# Altium PCB betaV1.0.PcbDoc
Units mm, origin at the board's own origin, x right, y up, seen from the top; angles counter-clockwise.
Board outline 76 x 80.5 mm, 2 copper layers (Top Layer, Bottom Layer); 130 components, 86 nets, 364 pads, 121 vias.
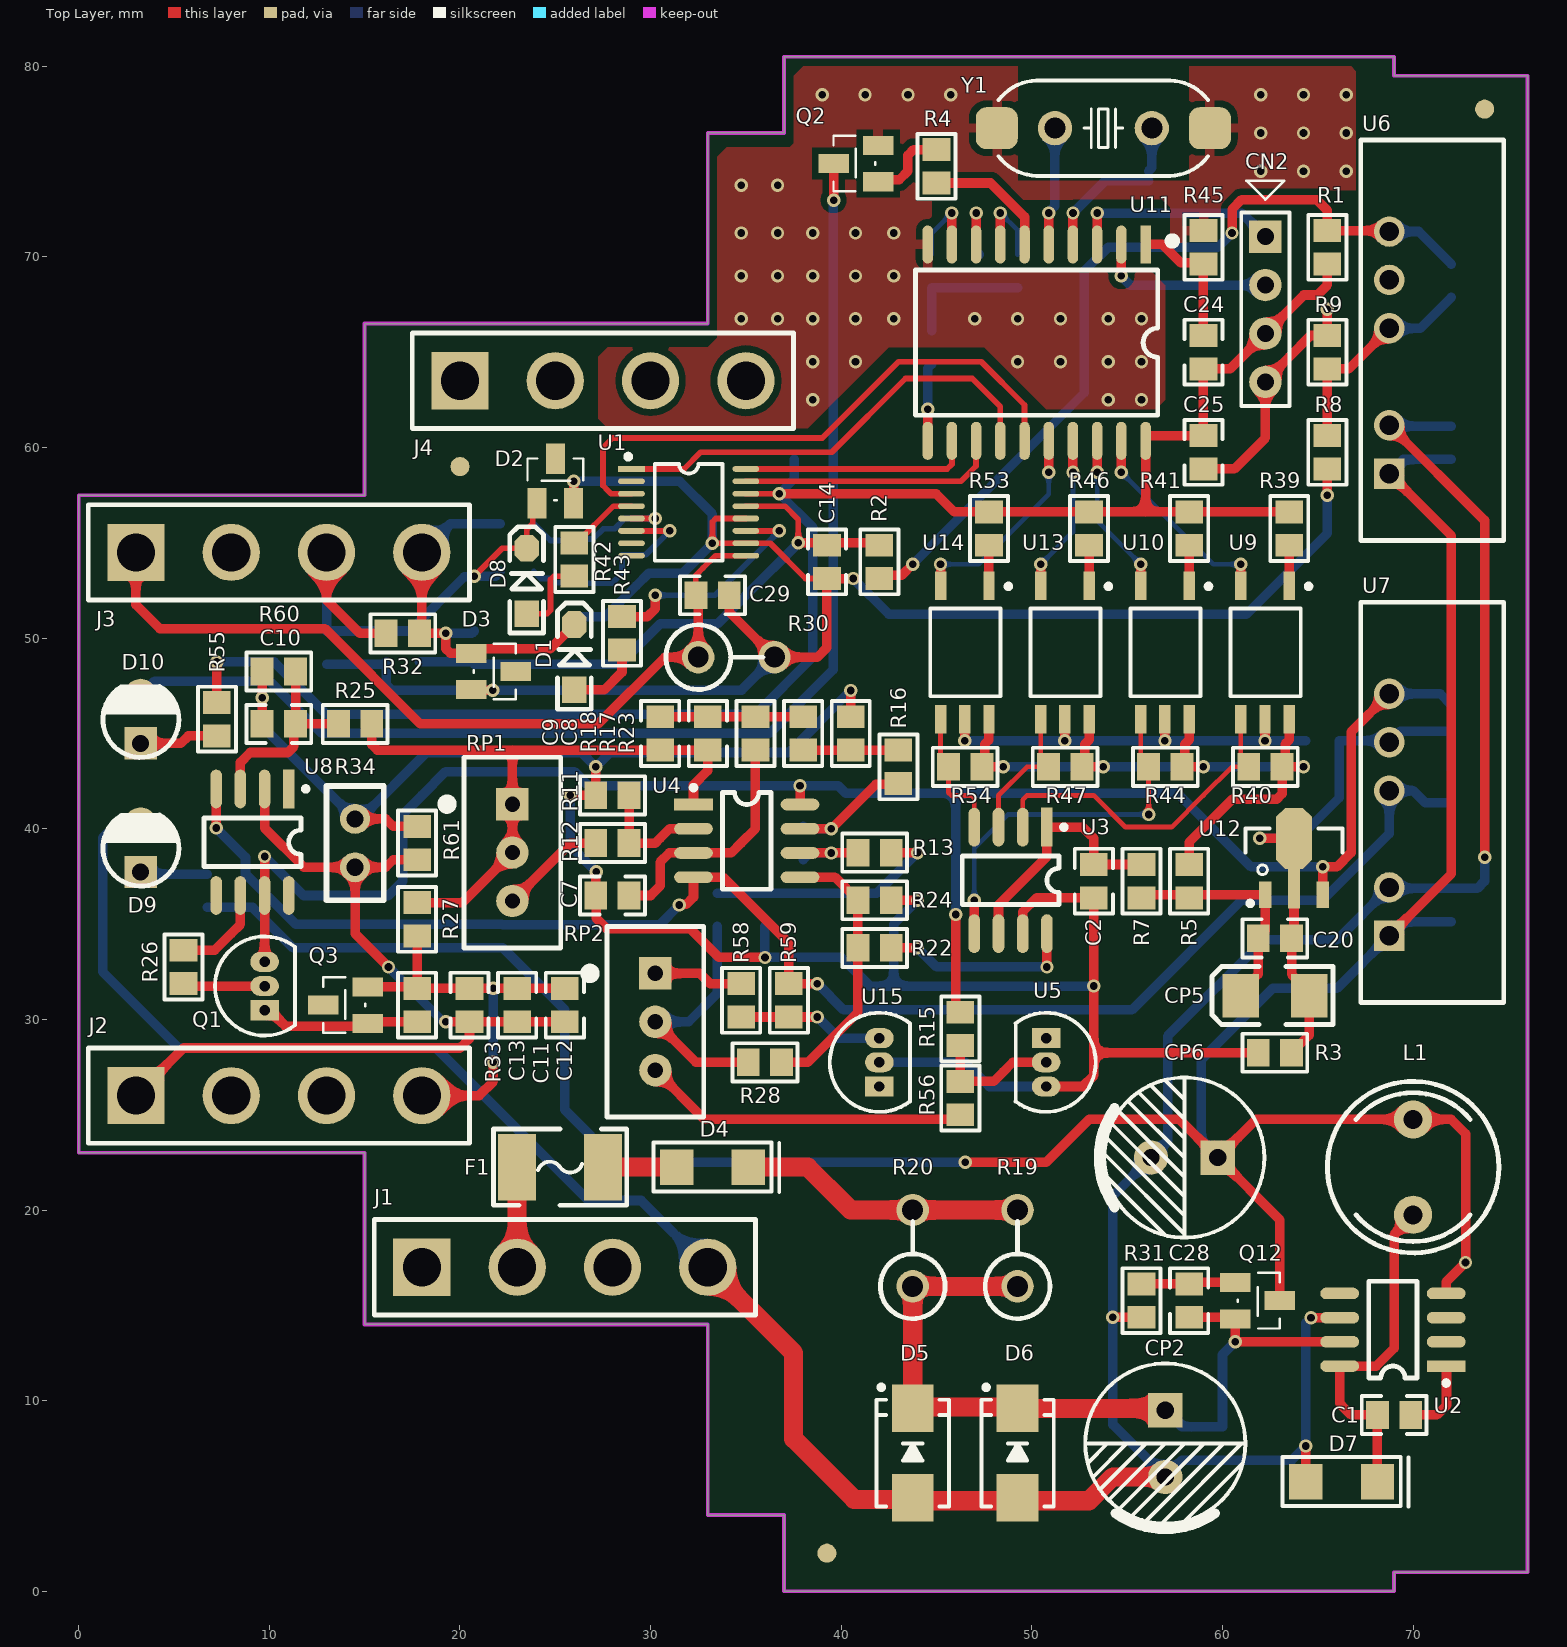
[diagram p0: Top Layer view]
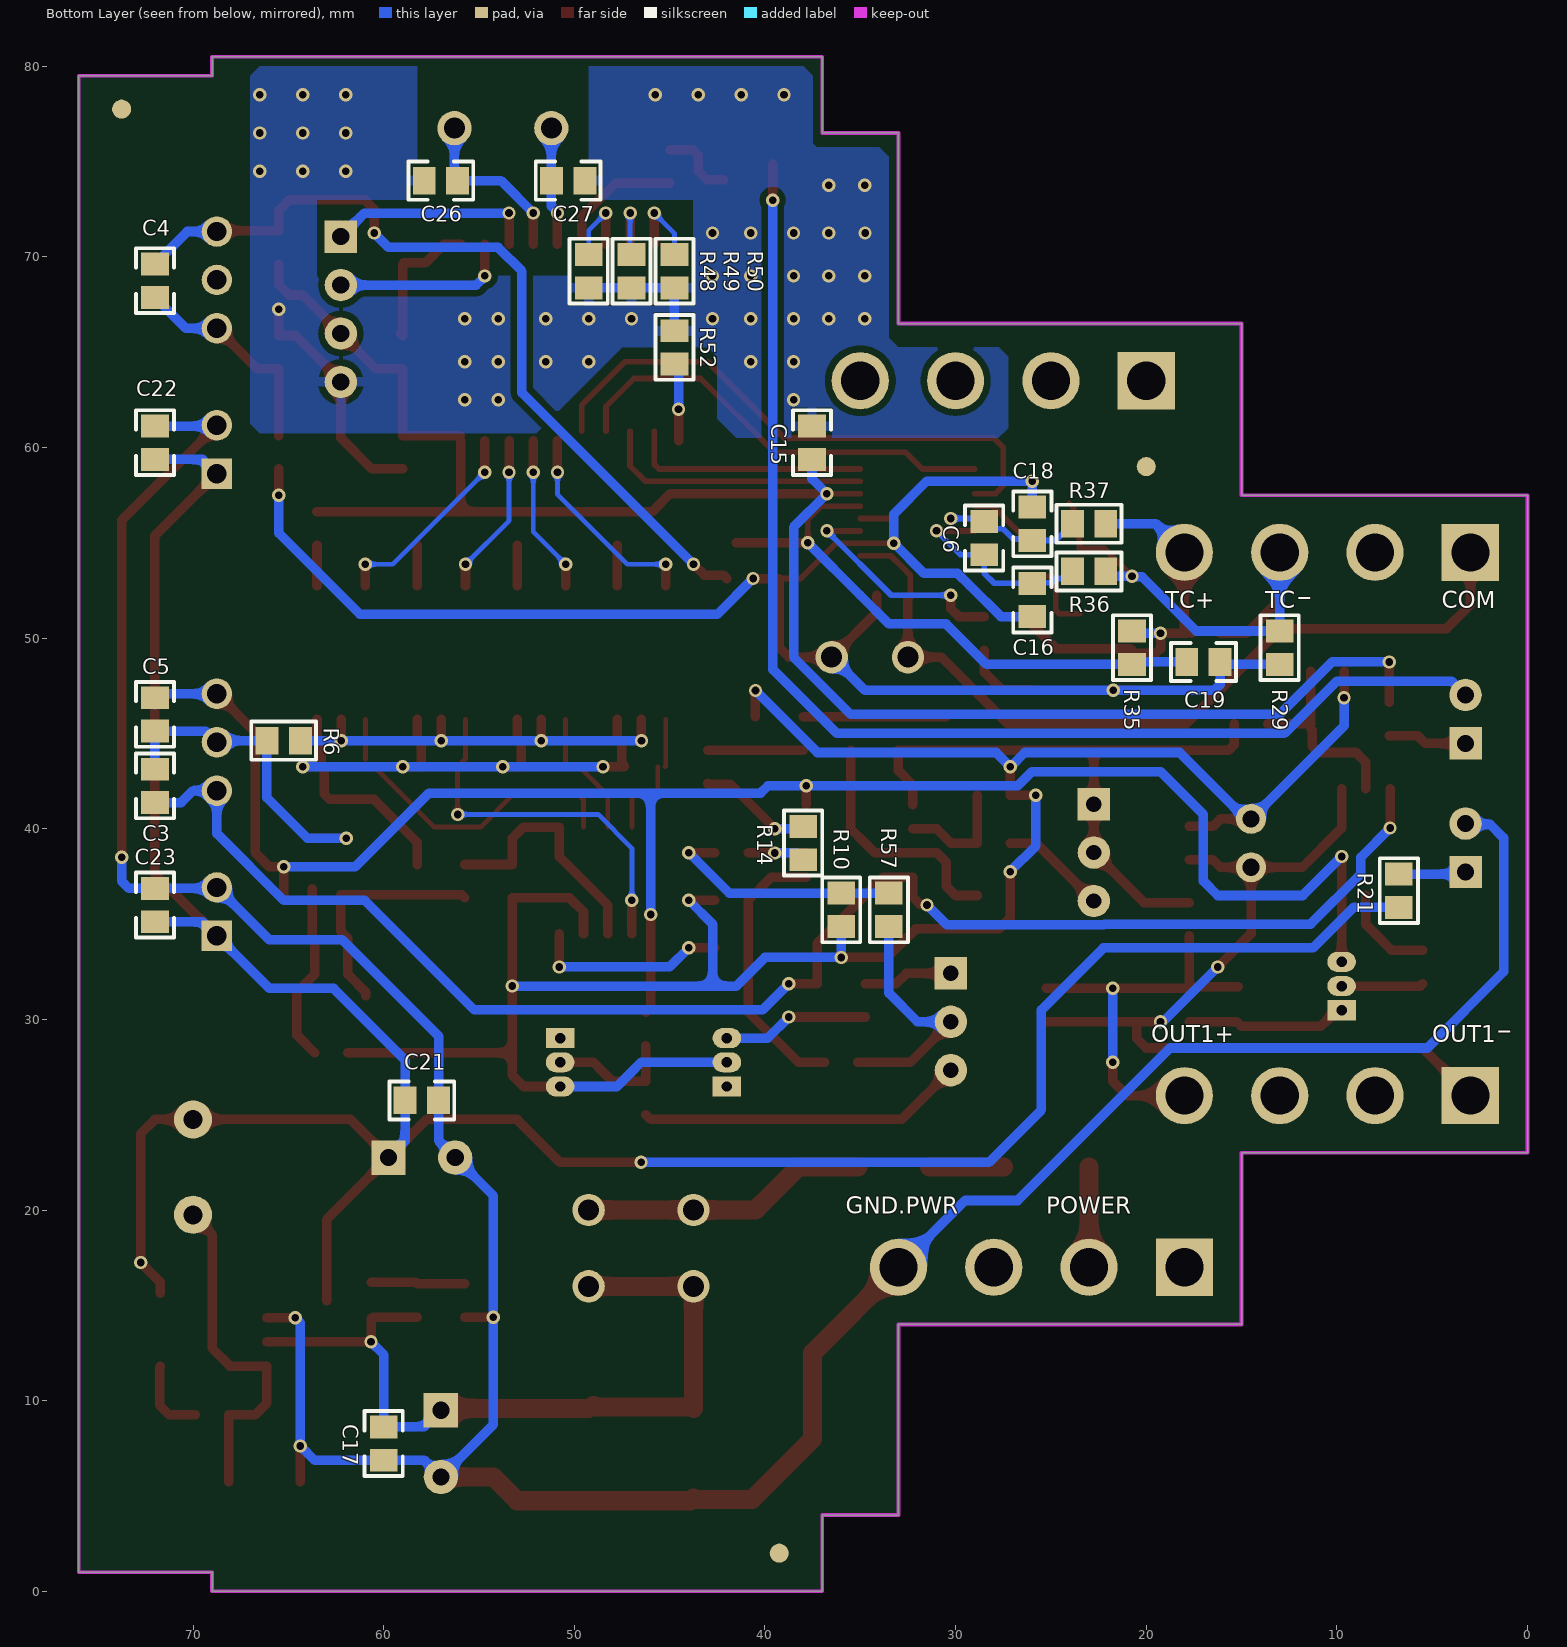
[diagram p1: Bottom Layer view, seen from below]

## Layer stack, top to bottom
Top Solder: solder mask 0.0102, Solder Resist, Dk 3.5
Top Layer: signal copper 0.0356
Dielectric 1: dielectric 0.32, FR-4, Dk 4.8
Bottom Layer: signal copper 0.0356
Bottom Solder: solder mask 0.0102, Solder Resist, Dk 3.5

## Board outline
15,14 15,23 0,23 0,57.5 15,57.5 15,66.5 33,66.5 33,76.5 37,76.5 37,80.5 69,80.5 69,79.5 76,79.5 76,1 69,1 69,0 37,0 37,4 33,4 33,14

## Design rules (kind name [scope] priority, off if disabled: settings)
Clearance [All] p1: gap=0.15 ignorepadtopadclearanceinfootprint=FALSE except(0.35: Arc-Fill Arc-Poly Arc-Region Track-Fill Track-Poly Track-Region SMDPad-Fill SMDPad-Poly SMDPad-Region THPad-Fill THPad-Poly THPad-Region Via-Fill Via-Poly Via-Region Fill-Fill Fill-Poly Fill-Region Poly-Poly Poly-Region Region-Region)
ComponentClearance [All] p1: gap=0.1 collisioncheckmode=3 verticalgap=0.1 showdistances=FALSE
MinimumSolderMaskSliver [All] p1: minsoldermaskwidth=0.15
PolygonConnect [All] p1: thpad.connectstyle=Relief thpad.reliefconductorwidth=0.5 thpad.reliefentries=4 thpad.polygonreliefangle="90 Angle" thpad.airgapwidth=0.35 smdpad.connectstyle=Relief smdpad.reliefconductorwidth=0.5 smdpad.reliefentries=4 smdpad.polygonreliefangle="90 Angle" smdpad.airgapwidth=0.35 via.connectstyle=Direct via.reliefconductorwidth=0.254 via.reliefentries=4 via.polygonreliefangle="90 Angle" via.airgapwidth=0.254
RoutingVias [All] p1: holewidth=0.4 width=0.7 viastyle="Through Hole" minholewidth=0.4 minwidth=0.7 maxholewidth=0.4 maxwidth=0.7
SilkToSilkClearance [All] p1: silktosilkclearance=0.1
SilkToSolderMaskClearance [IsPad] p1: minsilkscreentomaskgap=0.1 clearancetoexposedcopper=TRUE
SolderMaskExpansion [All] p1: expansion=0.102 istentingtop=FALSE
Width [All] p1: maxlimit=5 minlimit=0.25 preferedwidth=1
26 further rules are at their usual default settings.

## Components (designator, comment, footprint, x,y, rotation, side; value= is the part's Value field where it differs from the comment)
C1 "Comment" C0805 69,9.25 r0 top value=50V/103
C2 "Comment" C0805 53.25,37.25 r270 top value=25V/105
C3 "Comment" C0805 72,42.25 r270 bottom value=25V/105
C4 "Comment" C0805 72,68.75 r270 bottom value=25V/105
C5 "Comment" C0805 72,46 r270 bottom value=25V/105
C6 "Comment" C0805 28.5,55.25 r270 bottom value=25V/105
C7 "Comment" C0805 28,36.5 r0 top value=25V/105
C8 "Comment" C0805 33,45 r270 top value=25V/105
C9 "Comment" C0805 30.5,45 r270 top value=25V/105
C10 "Comment" C0805 10.5,45.5 r0 top value=25V/105
C11 "Comment" C0805 23,30.75 r270 top value=25V/105
C12 "Comment" C0805 25.5,30.75 r270 top value=25V/105
C13 "Comment" C0805 20.5,30.75 r270 top value=25V/105
C14 "Comment" C0805 39.25,54 r270 top value=25V/105
C15 "Comment" C0805 37.534,60.25 r270 bottom value=25V/105
C16 "Comment" C0805 25.978,52 r270 bottom value=25V/105
C17 "Comment" C0805 60,7.75 r270 bottom value=50V/104
C18 "Comment" C0805 25.978,56 r270 bottom value=25V/105
C19 "Comment" C0805 17,48.75 r180 bottom value=25V/105
C20 "Comment" C0805 62.75,34.25 r0 top value=25V/105
C21 "Comment" C0805 58,25.75 r180 bottom value=50V/104
C22 "Comment" C0805 72,60.25 r270 bottom value=25V/105
C23 "Comment" C0805 72,36 r270 bottom value=25V/105
C24 "Comment" C0805 59,65 r270 top value=25V/105
C25 "Comment" C0805 59,59.75 r270 top value=25V/105
C26 "Comment" C0805 57,74 r0 bottom value=25V/105
C27 "Comment" C0805 50.325,74 r180 bottom value=25V/105
C28 "Comment" C0805 58.25,15.25 r270 top value=50V/104
C29 "Comment" C0805 33.25,52.25 r0 top value=25V/105
CN2 "Comment" HDR2.54-LI-4P 62.25,67.25 r270 top
CP2 "Comment" "CAP 3.5*8*11.5" 57,7.75 r270 top value=50V100UF
CP5 "Comment" "CD B(3528)" 62.75,31.25 r0 top value=25V/105
CP6 "Comment" "CAP 3.5*8*11.5" 58,22.75 r180 top value=50V100UF
D1 "Comment" SOD-123 26,49 r90 top
D2 "Comment" SOT-23 25,58.25 r0 top
D3 "Comment" SOT-23 21.75,48.25 r270 top
D4 "Comment" SS14 33.25,22.25 r180 top value=1A/40V
D5 "Comment" SMB 43.75,7.25 r90 top
D6 "Comment" SMB 49.25,7.25 r90 top
D7 "" SS14 66.25,5.75 r180 top
D8 "Comment" SOD-123 23.5,53 r90 top
D9 "" "LED 3MM-R" 3.25,39 r90 top
D10 "" "LED 3MM-R" 3.25,45.75 r90 top
F1 "Comment" "FU 1812" 25.25,22.25 r0 top value=1A/50V
J1 "Comment" 电源输入/出 18,17 r0 top
J2 "Comment" 电源输入/出 3,26 r0 top
J3 "Comment" 电源输入/出 3,54.5 r0 top
J4 "Comment" 电源输入/出 20,63.5 r0 top
L1 "Comment" PK0810 70,22.25 r90 top value=47uH
Q1 "" LM336 9.75,30.48 r0 top
Q2 "Comment" SOT-23 40.768,74.895 r90 top
Q3 "Comment" SOT-23 14,30.75 r90 top
Q12 "" SOT-23 61.832,15.25 r270 top
R1 "Comment" R0805 65.5,70.5 r270 top
R2 "Comment" R0805 42,54 r270 top
R3 "Comment" R0805 62.75,28.25 r0 top
R4 "Comment" R0805 45,74.75 r90 top
R5 "Comment" R0805 58.25,37.25 r270 top
R6 "Comment" R0805 65.25,44.625 r0 bottom
R7 "Comment" R0805 55.75,37.25 r270 top
R8 "Comment" R0805 65.5,59.75 r270 top
R9 "Comment" R0805 65.5,65 r270 top
R10 "Comment" R0805 36,35.75 r90 bottom
R11 "Comment" R0805 28,41.75 r0 top
R12 "Comment" R0805 28,39.25 r0 top
R13 "Comment" R0805 41.75,38.75 r0 top
R14 "Comment" R0805 38,39.25 r90 bottom
R15 "Comment" R0805 46.25,29.5 r270 top
R16 "Comment" R0805 43,43.25 r90 top
R17 "Comment" R0805 38,45 r270 top
R18 "Comment" R0805 35.5,45 r270 top
R19 "Comment" "金属膜电阻-RS 1/2W-V4" 49.25,16 r90 top value=1W/10R
R20 "Comment" "金属膜电阻-RS 1/2W-V4" 43.75,16 r90 top value=1W/10R
R21 "Comment" R0805 6.75,36.75 r270 bottom
R22 "Comment" R0805 41.75,33.75 r0 top
R23 "Comment" R0805 40.5,45 r270 top
R24 "Comment" R0805 41.75,36.25 r0 top
R25 "Comment" R0805 14.5,45.5 r0 top
R26 "Comment" R0805 5.5,32.75 r90 top
R27 "Comment" R0805 17.75,35.25 r270 top
R28 "Comment" R0805 36,27.75 r0 top
R29 "Comment" R0805 13,49.5 r90 bottom
R30 "Comment" "金属膜电阻-RS 1/2W-V4" 32.5,49 r0 top value=1W/10R
R31 "Comment" R0805 55.75,15.25 r270 top
R32 "Comment" R0805 17,50.25 r0 top
R33 "Comment" R0805 17.75,30.75 r270 top
R34 "Comment" "RS 1/2W" 14.5,39.25 r270 top
R35 "Comment" R0805 20.75,49.5 r270 bottom
R36 "Comment" R0805 23,53.5 r180 bottom
R37 "Comment" R0805 23,56 r180 bottom
R39 "Comment" R0805 63.5,55.75 r270 top
R40 "Comment" R0805 62.25,43.25 r0 top
R41 "Comment" R0805 58.25,55.75 r270 top
R42 "10k" R0805 26,54.125 r270 top
R43 "Comment" R0805 28.5,50.25 r270 top
R44 "Comment" R0805 57,43.25 r0 top
R45 "Comment" R0805 59,70.5 r270 top
R46 "Comment" R0805 53,55.75 r270 top
R47 "Comment" R0805 51.75,43.25 r0 top
R48 "Comment" R0805 49.25,69.25 r270 bottom
R49 "Comment" R0805 47,69.25 r270 bottom
R50 "Comment" R0805 44.75,69.25 r270 bottom
R52 "Comment" R0805 44.75,65.25 r270 bottom
R53 "Comment" R0805 47.75,55.75 r270 top
R54 "Comment" R0805 46.5,43.25 r0 top
R55 "Comment" R0805 7.25,45.75 r270 top
R56 "Comment" R0805 46.25,25.875 r270 top
R57 "Comment" R0805 33.5,35.75 r90 bottom
R58 "Comment" R0805 34.75,31 r90 top
R59 "Comment" R0805 37.25,31 r90 top
R60 "Comment" R0805 10.5,48.25 r0 top
R61 "Comment" R0805 17.75,39.25 r270 top
RP1 "Comment" 可调电阻 22.75,41.29 r0 top
RP2 "Comment" 可调电阻 30.25,32.415 r0 top
U1 "Comment" TSSOP16 32,56.6 r0 top
U2 "Comment" SO-8 71.733,11.815 r180 top
U3 "Comment" SO-8 50.79,40.088 r270 top
U4 "Comment" SO-8 32.25,41.27 r0 top
U5 "" LM336 50.75,29.02 r180 top
U6 "Comment" B0505S-2WR2 68.75,58.63 r270 top
U7 "Comment" B0505S-2WR2 68.75,34.38 r270 top
U8 "Comment" SO-8 11.02,42.088 r270 top
U9 "Comment" PC400 63.5,52.75 r180 top
U10 "Comment" PC400 58.25,52.75 r180 top
U11 "Comment" 12C5616AD-SOP20 50.25,65.5 r270 top
U12 "Comment" SOT-89 62.25,36.532 r0 top
U13 "Comment" PC400 53,52.75 r180 top
U14 "Comment" PC400 47.75,52.75 r180 top
U15 "" LM336 42,26.48 r0 top
Y1 "Comment" 晶振 53.75,76.75 r0 top

## Footprints (in the part's own frame and the unit in brackets; to place one, negate y for a bottom-side part, rotate by r counter-clockwise, add the part's x,y. Pads: shape width x height; smd on the part's side, far side on the other; paste and mask are expansions set on the pad)
12C5616AD-SOP20 [mm] "13*10.6*2.6（长宽高）"
  rect 2x0.55 smd: 1(-5.15,5.715)
  oval 2x0.55 smd: 2(-5.15,4.445) 3(-5.15,3.175) 4(-5.15,1.905) 5(-5.15,0.635) 6(-5.15,-0.635) 7(-5.15,-1.905) 8(-5.15,-3.175) 9(-5.15,-4.445) 10(-5.15,-5.715) 11(5.15,-5.715) 12(5.15,-4.445) 13(5.15,-3.175) 14(5.15,-1.905) 15(5.15,-0.635) 16(5.15,0.635) 17(5.15,1.905) 18(5.15,3.175) 19(5.15,4.445) 20(5.15,5.715)
  silkscreen extent -5.49,-6.35 3.81,7.27, body extent -5.15,-6.35 5.15,6.35, height 2.7
B0505S-2WR2 [mm]
  rect 1.6x1.6 hole 1.02: 1(0,0)
  round 1.6 hole 1.02: 2(-2.54,0) 4(-7.62,0) 5(-10.16,0) 6(-12.7,0)
  silkscreen extent -17.5,-1.5 3.5,6
C0805 [mm] "无极性贴片电容"
  rect 1.2x1.45 smd: 1(-0.875,0) 2(0.875,0)
  silkscreen extent -1.7,-1 1.7,1, body extent -1.07,-0.7 1.07,0.7, height 0.65
"CAP 3.5*8*11.5" [mm] "脚距3.5mm直径8mm高度11.5mm"
  rect 1.8x1.8 hole 0.9: 1(-1.75,0)
  round 1.8 hole 0.9: 2(1.75,0)
  silkscreen extent -4.2,-4.2 4.5,4.2, body extent -4,-4 4.01,4, height 11.53
"CD B(3528)" [mil] "长3.5mm，宽2.8mm，厚1.9mm"
  rect 75x90 smd: 1(-70.87,-0.01) 2(70.86,-0.01)
  silkscreen extent -130,-60 120,60, body extent -69,-55 69,55, height 75
"FU 1812" [mm] "贴片保险丝"
  rect 2x3.5 smd: 1(-2.25,0) 2(2.25,0)
  silkscreen extent -3.5,-2 3.5,2, body extent -2.3,-1.61 2.3,1.61, height 0.87
HDR2.54-LI-4P [mm] "排针，4脚"
  rect 1.7x1.7 hole 0.9: 1(-3.81,0)
  round 1.7 hole 0.9: 2(-1.27,0) 3(1.27,0) 4(3.81,0)
  silkscreen extent -5.08,-1.27 5.08,1.27, body extent -5.08,-1.27 5.08,1.27, height 8.5
"LED 3MM-R" [mm] "红色3mm直插LED"
  rect 1.7x1.7 hole 0.9: 1(-1.27,0)
  round 1.7 hole 0.9: 2(1.27,0)
  silkscreen extent -2.01,-2 1.72,1.98, body extent -1.95,-1.95 1.64,1.95, height 5.55
LM336 [mm]
  rect 1.5x1.05 hole 0.55: 1(0,0)
  oval 1.5x1.05 hole 0.55: 2(0,1.27) 3(0,2.54)
  silkscreen extent -2.6,-1.33 1.6,3.87, body extent -2.3,-1.03 1.3,3.57, height 7.6
PC400 [mm] "3x1.6x1.1mm(长宽高)"
  rect 0.6x1.5 smd: 1(0,0) 3(2.54,0) 4(2.54,7) 5(1.27,7) 6(0,7)
  silkscreen extent -1.14,-0.09 3.08,5.8
PK0810 [mm] "5*9*12mm(脚距，直径，高）"
  round 2 hole 1: 1(-2.5,0) 2(2.5,0)
  silkscreen extent -4.5,-4.5 4.5,4.5, body extent -4.5,-4.5 4.5,4.5, height 12.02
R0805 [mm] "Chip Capacitor, 2-Leads, Body 2.00x1.25mm, IPC Medium Density,IPC-SM-782"
  rect 1.2x1.45 smd: 1(-0.875,0) 2(0.875,0)
  silkscreen extent -1.7,-1 1.7,1, body extent -1.07,-0.7 1.07,0.7, height 0.65
"RS 1/2W" [mil]
  round 62 hole 35.43: 1(-50,0) 2(50,0)
  silkscreen extent -118,-59 118,59
SMB [mm] "4.7*3.9*2.2mm(长宽高，不包括引脚）"
  rect 2.5x2.2 smd: 1(-2.35,0) 2(2.35,0)
  silkscreen extent -2.8,-1.9 3.57,1.9, body extent -2.63,-1.8 2.67,1.8, height 2.35
SO-8 [mil]
  rect 80x24 smd: 1(0,0)
  oval 80x24 smd: 2(0,-50) 3(0,-100) 4(0,-150) 5(220,-150) 6(220,-100) 7(220,-50) 8(220,0)
  silkscreen extent -5,-175 160,40
SOD-123 [mil] "2.7x1.6X1.1mm（长宽高，不包括引脚）"
  rect 55x50 smd: 1(-67.5,0)
  oct 55x50 smd: 2(67.5,0)
  silkscreen extent -108,-35 112,35, body extent -73,-31 73,31, height 48
SOT-23 [mm]
  rect 1x1.6 smd: 1(-0.955,-1.168) 2(0.955,-1.167) 3(0,1.168)
  silkscreen extent -1.46,-1.03 1.46,1.17, body extent -1.41,-1.39 1.49,1.41, height 1.2
SOT-89 [mm]
  rect 0.65x1.4 smd: 1(0,0) 3(3,0)
  rect 0.65x2.1 smd: 2(1.5,0.327)
  oct 1.9x3.2 smd: 2(1.5,2.968)
  silkscreen extent -1.04,-0.57 4.04,3.48, body extent -0.8,-0.45 3.8,3.85, height 1.6
SS14 [mm]
  rect 1.75x1.85 smd: 1(1.88,0) 2(-1.88,0)
  silkscreen extent -3.5,-1.3 3.1,1.3
TSSOP16 [mm] "5*6.4*1mm（长宽高）"
  rect 1.4x0.3 smd: 1(-3.004,2.275)
  oval 1.4x0.3 smd: 2(-3.004,1.625) 3(-3.004,0.975) 4(-3.004,0.325) 5(-3.004,-0.325) 6(-3.004,-0.975) 7(-3.004,-1.625) 8(-3.004,-2.275) 9(2.996,-2.275) 10(2.996,-1.625) 11(2.996,-0.975) 12(2.996,-0.325) 13(2.996,0.325) 14(2.996,0.975) 15(2.996,1.625) 16(2.996,2.275)
  silkscreen extent -3.3,-2.54 1.78,3.05, body extent -3.2,-2.5 3.2,2.5, height 1.03
可调电阻 [mm]
  rect 1.7x1.7 hole 0.8: 1(0,0)
  round 1.7 hole 0.8: 2(0,-2.54) 3(0,-5.08)
  silkscreen extent -3.68,-7.54 2.54,2.46
晶振 [mm]
  round 1.8 hole 1.1: 1(-2.54,0) 2(2.54,0)
  rrect50% 2.2x2.2 smd: 3(-5.588,0) 3(5.588,0)
  silkscreen extent -5.49,-2.5 5.49,2.5
电源输入/出 [mm]
  rect 3x3 hole 2: 1(0,0)
  round 3 hole 2: 2(5,0) 3(10,0) 4(15,0)
  silkscreen extent -2.5,-2.5 17.5,2.5
"金属膜电阻-RS 1/2W-V4" [mm] "直插色环电阻，脚距4mm，直径3mm"
  round 1.7 hole 1.1: 1(0,0) 2(4,0)
  silkscreen extent -1.7,-1.7 3.4,1.7, body extent -1.51,-1.51 4.25,1.51, height 10.75

## Part data
C1 C2 C3 C4 C5 C6 C7 C8 C9 C10 C11 C12 C13 C14 C15 C16 C17 C18 C19 C20 C21 C22 C23 C24 C25 C26 C27 C28 C29 CP5: library part 04-02-01
CN2 J1 J2 J3 J4: library part CON4
CP2 CP6: library part "Cap Pol3"
D1 D4 D5 D6 D7 D8: library part DIODE
D2 D3 Q2 Q3 Q12: library part NPN-SOT23
D9 D10: library part LED
F1: library part "Fuse 1"
L1: library part Inductor
Q1 U5 U15: library part SN74LVC
R1 R2 R3 R4 R5 R6 R7 R8 R9 R10 R11 R12 R13 R14 R15 R16 R17 R18 R21 R22 R23 R24 R25 R26 R27 R28 R29 R31 R32 R33 R34 R35 R36 R37 R39 R40 R41 R42 R43 R44 R45 R46 R47 R48 R49 R50 R52 R53 R54 R55 R56 R57 R58 R59 R60 R61: library part Res, "Resistor", LatestRevisionDate=17-Jul-2002, LatestRevisionNote="Re-released for DXP Platform.", PackageReference=AXIAL-0.4, Published=8-Jun-2000, Publisher="Altium Limited"
R19 R20 R30: library part R
RP1 RP2: library part RES_1
U1: library part LM5025
U2: library part LM2756
U3 U4 U8: library part SI8420BB
U6: library part B0505S2W
U7: library part A0515S-1W
U9 U10 U13 U14: library part MAX5078
U11: library part SN74LV5, "八路三态门"
U12: library part PNP-SOT89
Y1: library part CVHD‐950‐122.880

## Free pads (board coordinates)
  round 1 smd mask+0.5: 1(20,59) 2(73.75,77.75) 3(39.25,2)
  round 1 smd far side mask+0.5: 1(20,59) 2(73.75,77.75) 3(39.25,2)

## Via types
v1: diameter 0.7, hole 0.4, Top Layer to Bottom Layer, tented both sides, 121 vias

## Nets (pads, with @x,y where several pads share a name; then routed paths per layer and width w, separated by ;. In a path a pad name is that pad's centre, name@x,y a point inside that pad or via, vN(x,y) a via of type N, cw(c..) or ccw(c..) an arc to the next point about the centre after c; other vN are vias at no path point)
NetD1_1: D1.1 R43.2 | length 4
  Top Layer w0.5: D1.1 27.571,47.286 28.5,48.214 R43.2
NetD4_1: D4.1 F1.2 | length 3.9
  Top Layer w1: F1.2 D4.1
NetD4_2: D4.2 R19.2 R20.2 | length 15.1
  Top Layer w1: D4.2 38.25,22.25 40.25,20.25 40.5,20 R20.2 R19.2
NetD9_1: D9.1 R21.1 | length 3.5
  Bottom Layer w0.5: D9.1 3.355,37.625 R21.1
NetD10_1: D10.1 R55.2 | length 4.2
  Top Layer w0.5: D10.1 5.355,44.48 5.75,44.875 R55.2
NetLabel21: J4.1
NetLabel22: J4.4
NetQ2_1: Q2.1 R4.2 | length 4
  Top Layer w0.5: Q2.1@42.156,74.045 43.045,74.045 43.5,74.5 43.5,75.332 43.793,75.625 R4.2
NetR12_1: R12.1 RP1.3 | length 5.6
  Top Layer w0.5: RP1.3 25.79,39.25 R12.1
NetR15_2: R15.2 R56.1 U5.2 | length 6.8
  Top Layer w0.5: R15.2 R56.1 48,26.75 48.5,27.25 49,27.75 U5.2
NewNet: C15.1 C25.2 C26.2 C27.2 CN2.4 Q2.2 R9.1 R45.1 R48.2 R49.2 R50.2 R52.1 U11.10 Y1.3 | length 19.2
  Top Layer w0.5: C25.2 60.625,58.875 62.25,60.5 CN2.4 ; CN2.4@62.25,63.5 63.5,64.75 64.625,65.875 R9.1 v1(65.5,67.25)
  Bottom Layer w0.5: R52.1 R50.2 R48.2
  other v1: 38.5,62.5 54,62.5 55.75,62.5 38.5,64.5 40.75,64.5 49.25,64.5 51.5,64.5 54,64.5 55.75,64.5 34.758,66.75 36.66,66.75 38.5,66.75 40.75,66.75 42.75,66.75 47,66.75 49.25,66.75 51.5,66.75 54,66.75 55.75,66.75 34.758,69 36.66,69 38.5,69 40.75,69 42.75,69 34.75,71.25 36.66,71.25 38.5,71.25 40.75,71.25 42.75,71.25 34.758,73.75 36.66,73.75 62,74.5 64.25,74.5 66.5,74.5 62,76.5 64.25,76.5 66.5,76.5 39,78.5 41.25,78.5 43.5,78.5 45.75,78.5 62,78.5 64.25,78.5 66.5,78.5
NewNet1: C5.1 Q1.3 R15.1 U4.8 U7.6 U8.7 U12.3 | length 97.5
  Top Layer w0.5: Q1.3 U8.7 v1(9.75,38.548) ; U4.8 v1(37.838,42.25) ; v1(46,35.5) 46,30.625 R15.1 ; U12.3 v1(65.25,38) 66,38 66.75,38.75 66.75,45.08 U7.6
  Bottom Layer w0.5: v1(9.75,38.548) 11.798,36.5 16.25,36.5 17,37.25 17,40.75 18,41.75 19.25,43 26,43 26.75,42.25 v1(37.838,42.25) 39.855,42.25 40.23,41.875 46,41.875 ; v1(46,35.5) 46,41.875 ; v1(65.25,38) 61.5,38 57.625,41.875 46,41.875 ; U7.6 71.42,47.08 72,46.5 C5.1@72,46.75
NewNet3: C28.1 Q12.1 R31.1 | length 4.9
  Top Layer w0.5: R31.1 C28.1 58.33,16.205 Q12.1
NewNet4: C17.1 C28.2 CP2.1 D5.2 D6.2 Q12.2 R19.1 R20.1 U2.7 | length 42.5
  Top Layer w0.5: C28.2 60.585,14.375 Q12.2 v1(60.665,13.085) ; U2.7 v1(60.665,13.085) ; v1(60.665,13.085) 60.75,13 v1(60.665,13.085)
  Top Layer w1: D6.2@49,9.75 48.925,9.675 43.825,9.675 D5.2 R20.1 R19.1 ; D6.2 56.9,9.6 CP2.1
  Bottom Layer w0.5: CP2.1 57.875,8.625 C17.1 60,12.42 v1(60.665,13.085)
NewNet5: C17.2 C21.2 C22.1 C23.1 CP2.2 CP6.2 D5.1 D6.1 D7.1 D9.2 J1.4 R31.2 U2.6 U6.2 U7.2 | length 174.5
  Top Layer w0.5: v1(54.25,14.375) R31.2 ; D7.1 v1(64.37,7.62) ; v1(64.645,14.355) U2.6 ; U6.2 73.75,56.17 v1(73.75,38.5)
  Top Layer w1: J1.4 37.5,12.5 37.5,8 40.675,4.825 43.825,4.825 D5.1 43.9,4.75 53,4.75 54.25,6 CP2.2
  Bottom Layer w0.5: D9.2@3.25,40.5 2.986,40.236 1.961,40.236 1.25,39.525 1.25,32.5 5.25,28.5 18.75,28.5 26.75,20.5 29.5,20.5 J1.4 ; v1(64.645,14.355) 64.37,14.08 v1(64.37,7.62) 63.625,6.875 C17.2 57.875,6.875 CP2.2 54.25,8.75 v1(54.25,14.375) 54.25,20.75 CP6.2 57.125,23.625 C21.2 57.125,29.125 62.17,34.17 66,34.17 U7.2 68.795,36.875 C23.1 73.375,36.875 73.75,37.25 v1(73.75,38.5) ; U6.2 68.795,61.125 C22.1
NewNet6: R28.1 R57.1 RP2.2 | length 13.1
  Top Layer w0.5: RP2.2 32.375,27.75 R28.1
  Bottom Layer w0.5: RP2.2 32,29.875 33.5,31.375 R57.1
NewNet7: C1.1 D7.2 L1.1 U2.8 | length 18.3
  Top Layer w0.5: D7.2 68.125,5.755 C1.1 66.75,9.25 66.25,9.75 66.145,9.855 U2.8 68.065,11.815 69,12.75 69,18.707 70,19.707 L1.1
NewNet8: C1.2 U2.1 | length 4.2
  Top Layer w0.5: C1.2 71.25,9.25 71.75,9.75 71.75,11.76 71.733,11.777 U2.1
NewNet9: C20.1 CP5.1 R5.2 R7.2 U12.1 | length 12.4
  Top Layer w0.5: R7.2 55.907,36.532 U12.1 62.25,34.625 C20.1 61.875,32.366 60.95,31.44 CP5.1
NewNet10: C3.1 C5.2 C20.2 CP5.2 R3.2 R6.2 U7.5 U12.2 | length 27.7
  Top Layer w0.5: v1(61.957,39.5) U12.2@63.75,39.5 ; R3.2 64.55,29.175 CP5.2 64.55,31.44 63.625,32.365 C20.2@63.625,34 ; C20.2 C20.2@63.625,34 ; U12.2@63.75,36.858 63.75,34.125 C20.2@63.625,34
  Bottom Layer w0.5: v1(61.957,39.5) 64,39.5 66.125,41.625 R6.2 68.665,44.625 U7.5 69.335,45.125 C5.2 C3.1
NewNet12: F1.1 J1.2 | length 5.3
  Top Layer w1: J1.2 F1.1
NewNet13: C2.1 R7.1 U3.1 U3.6 | length 13.2
  Top Layer w0.5: U3.6 48.25,36 50.79,38.54 U3.1 52.625,40.088 ; 52.662,40.088 53,39.75 53.25,39.5 C2.1 R7.1
NewNet14: C2.2 C7.1 C10.1 R3.1 R10.1 R11.1 R23.1 R24.2 R34.1 R60.1 R61.1 U3.7 U5.3 U15.2 | length 125.9
  Top Layer w0.5: C10.1 v1(9.625,46.875) R60.1 ; R34.1 16.105,40.52 16.5,40.125 R61.1 ; v1(25.79,41.75) R11.1 v1(27.125,43.25) ; v1(27.143,37.75) 27.125,37.732 C7.1 27.143,36.482 27.143,35.318 27.711,34.75 32.085,34.75 32.835,34 33.585,33.25 v1(36,33.25) ; R23.1 v1(40.5,47.25) ; R24.2 v1(44,36.25) ; U3.7 49.52,35.645 50.25,36.375 C2.2 v1(53.25,31.75) 53.25,28.25 ; U5.3 52.664,26.48 53.25,27.066 53.25,28.25 ; R3.1 53.25,28.25
  Bottom Layer w0.5: v1(9.625,46.875) 9.625,45.395 R34.1 14.77,40.52 18.25,44 26.375,44 v1(27.125,43.25) 27.875,44 37.25,44 v1(40.5,47.25) ; v1(25.79,41.75) 25.79,39.103 v1(27.143,37.75) ; R10.1 v1(36,33.25) 40,33.25 41.5,31.75 42.75,31.75 ; U15.2 46.5,27.75 47,27.25 47.77,26.48 U5.3 ; v1(44,36.25) 42.75,35 42.75,31.75 ; v1(53.25,31.75) 42.75,31.75
NewNet16: R58.1 R59.1 U15.3 | length 7.7
  Top Layer w0.5: R58.1 R59.1 v1(38.75,30.125)
  Bottom Layer w0.5: v1(38.75,30.125) 39.855,29.02 U15.3
NewNet17: R5.1 R40.2 R44.2 R47.2 R54.2 U9.6 U10.6 U13.6 U14.6 | length 38.6
  Top Layer w0.5: R54.2 v1(48.5,43.25) ; R54.2@47.375,43.29 47.518,43.433 47.518,44.432 47.738,44.652 47.738,45.738 U14.6 ; R47.2 v1(53.75,43.25) ; R47.2@52.78,43.445 52.78,44.445 53,44.664 U13.6 ; R44.2 v1(59,43.25) ; R44.2@58.03,43.445 58.03,44.445 58.25,44.664 U10.6 ; R5.1 58.25,39.293 60.5,41.543 62.832,41.543 63.125,41.836 R40.2 v1(64.25,43.25) ; R40.2@63.28,43.445 63.28,44.445 63.5,44.664 U9.6
  Bottom Layer w0.5: v1(48.5,43.25) v1(53.75,43.25) v1(59,43.25) v1(64.25,43.25)
NewNet18: R54.1 U3.4 U14.4 | length 6.9
  Top Layer w0.25: U14.4 45.21,43.29 R54.1@45.25,43.25 ; R54.1 45.625,41.896 45.771,41.75 46.834,41.75 46.98,41.604 U3.4
NewNet19: R47.1 U3.3 U13.4 | length 7.4
  Top Layer w0.25: U3.3 48.25,41.75 49.75,43.25 R47.1@50.437,43.25 ; U13.4 50.46,43.272 R47.1@50.437,43.25 ; R47.1 R47.1@50.437,43.25
NewNet20: R40.1 U3.2 U9.4 | length 17.5
  Top Layer w0.25: U3.2 49.52,41.52 49.75,41.75 53.25,41.75 54.912,40.088 57.338,40.088 59,41.75 60.5,43.25 R40.1 ; R40.1@60.96,43.665 U9.4
NewNet21: R44.1 U3.5 U10.4 | length 21
  Top Layer w0.25: U10.4 55.71,43.665 R44.1 ; v1(56.125,40.75) R44.1 ; 56.125,41.75 R44.1
  Top Layer w0.5: U3.5 v1(46.98,36.25)
  Bottom Layer w0.25: v1(46.98,36.25) 46.98,38.98 48.75,40.75 v1(56.125,40.75)
NewNet22: R13.1 R14.1 U4.6 | length 4.7
  Top Layer w0.5: U4.6 v1(39.48,38.73) ; R13.1 v1@39.5,38.75 ; v1(39.48,38.73) v1@39.5,38.75 ; v1(39.48,38.73) v1@39.5,38.75
  Bottom Layer w0.5: R14.1 38.355,38.73 v1(39.48,38.73)
NewNet23: R14.2 R16.1 U4.7 | length 7.7
  Top Layer w0.5: U4.7 v1(39.48,40) 41.818,42.338 42.963,42.338 R16.1
  Bottom Layer w0.5: R14.2 38.125,40 v1(39.48,40)
NewNet24: R56.2 RP2.3 | length 17.2
  Top Layer w0.5: RP2.3 32.835,24.75 43.5,24.75 46,24.75 R56.2
NewNet25: R22.2 U3.8 | length 10.3
  Top Layer w0.5: R22.2 v1(44,33.75) ; v1(50.79,32.75) U3.8
  Bottom Layer w0.5: v1(44,33.75) 45,32.75 v1(50.79,32.75)
NewNet26: R22.1 R24.1 R28.2 U4.5 | length 14.4
  Top Layer w0.5: R28.2 38.25,27.75 40.875,30.375 R22.1 R24.1@40.875,36.125 ; U4.5 39.665,37.46 R24.1
NewNet27: C3.2 R59.2 U4.4 U7.4 U8.4 | length 81.6
  Top Layer w0.5: U8.4 v1(7.21,40.04) v1@7.25,40 ; v1(31.5,36) 31.538,36.038 31.873,36.038 32.25,36.415 U4.4 33.79,37.46 37.25,34 R59.2 v1(38.75,31.875)
  Bottom Layer w0.5: v1(7.21,40.04) 8.75,38.5 8.75,37.625 11.375,35 22.192,35 22.232,34.96 30.46,34.96 v1(31.5,36) ; v1(38.75,31.875) 40.125,30.5 55.25,30.5 61,36.25 65.25,36.25 68.75,39.75 U7.4 70,42 70.625,41.375 C3.2
NewNet28: R6.1 U9.5 U10.5 U13.5 U14.5 | length 22.4
  Top Layer w0.5: v1(46.48,44.625) U14.5 ; v1(51.73,44.625) U13.5 ; v1(56.98,44.625) U10.5 ; v1(62.23,44.625) U9.5
  Bottom Layer w0.5: v1(46.48,44.625) v1(51.73,44.625) v1(56.98,44.625) v1(62.23,44.625) R6.1
NewNet29: U1.1 U11.14 | length 23.2
  Top Layer w0.3: U1.1 31.75,58.875 32.625,59.75 35.5,59.75 39.5,59.75 43.375,63.625 46.875,63.625 48.345,62.155 U11.14@48.345,60.85
NewNet30: U1.3 U11.15 | length 30
  Top Layer w0.3: U1.3 27.925,57.575 27.75,57.75 27.5,58 27.5,60 28,60.5 31.25,60.5 39,60.5 39.25,60.75 43,64.5 47.345,64.5 49.615,62.23 U11.15@49.615,60.85
NewNet31: R42.1 U1.4 | length 3.8
  Top Layer w0.3: R42.1 26.125,55 28.05,56.925 U1.4
NewNet32: C14.2 C16.2 C18.1 C19.2 C29.2 D2.2 D3.2 R8.2 R29.1 R30.2 U1.10 U1.12 | length 100.4
  Top Layer w0.3: U1.12 33.418,56.275 33.242,56.099 v1(33.242,54.975) U1.10 36.275,54.975 38.125,53.125 C14.2
  Top Layer w0.5: D3.2 20.605,47.272 v1(21.728,47.272) v1@21.75,47.25 ; D2.2 25.978,57.105 v1(25.978,58.228) v1@26,58.25 ; C29.2 34.125,51.375 R30.2 38.75,49 39.25,49.5 C14.2 v1(40.625,53.125) ; v1(65.5,57.5) R8.2
  Bottom Layer w0.5: R29.1 16,48.625 C19.2 16.125,47.565 16.418,47.272 v1(21.728,47.272) 34.772,47.272 R30.2 ; C16.2 27.625,51.125 29.25,52.75 29.897,53.397 31.665,53.397 v1(33.242,54.975) 33.242,56.508 31.522,58.228 v1(25.978,58.228) C18.1 ; v1(40.625,53.125) 42.5,51.25 59.5,51.25 61.25,51.25 65.5,55.5 v1(65.5,57.5)
NewNet33: R43.1 U1.11 | length 12.3
  Top Layer w0.3: U1.11 v1(36.75,55.625)
  Top Layer w0.5: R43.1 29.832,51.125 30.25,51.543 v1(30.25,52.25)
  Bottom Layer w0.3: v1(30.25,52.25) 33.375,52.25 v1(36.75,55.625)
NewNet34: C29.1 J3.1 R30.1 U1.9 | length 43.7
  Top Layer w0.3: C29.1 32.375,53.301 32.75,53.676 33.399,54.325 U1.9
  Top Layer w0.5: J3.1 3,51.75 4.25,50.5 12.918,50.5 17.918,45.5 27.25,45.5 30.75,49 R30.1 32.5,52.125 C29.1
NewNet35: D1.2 D3.1 J3.4 R32.2 R35.1 R37.2 | length 20.6
  Top Layer w0.5: R32.2@17.625,50.25 R32.2@18,50.625 ; R32.2 v1(19.25,50.25) 19.25,49.455 19.5,49.205 D3.1 20.832,49.455 24.74,49.455 D1.2 ; R32.2@18,50.375 J3.4
  Bottom Layer w0.5: J3.4 19.5,56 R37.2 ; v1(19.25,50.25) 20.625,50.25 R35.1
NewNet36: C14.1 C19.1 R2.1 R35.2 U1.13 | length 30.5
  Top Layer w0.3: U1.13 37.047,56.925 37.75,56.222 v1(37.75,55)
  Top Layer w0.5: v1(37.75,55) 39,55 R2.1@41.5,55
  Bottom Layer w0.5: C19.1 R35.2@20.75,48.75 ; R35.2 28.375,48.625 30.5,50.75 33.5,50.75 35,52.25 v1(37.75,55)
NewNet37: C15.2 C24.2 C25.1 CN2.3 R1.2 R39.1 R41.1 R46.1 R53.1 R55.1 U1.14 U11.20 | length 95.8
  Top Layer w0.3: U1.14 v1(36.75,57.575)
  Top Layer w0.5: R55.1 v1(7.25,48.75) ; v1(36.75,57.575) 44.98,57.575 45.93,56.625 R53.1 R46.1 55.965,56.625 ; U11.20 55.965,56.625 ; U11.20@55.988,60.625 C25.1 C24.2 60.395,64.125 CN2.3 64.27,68 64.975,68 65.5,68.525 R1.2 ; R39.1 R41.1 55.965,56.625
  Bottom Layer w0.3: C15.2 C15.2@37.584,59.325
  Bottom Layer w0.5: v1(7.25,48.75) 10.25,48.75 13,46 35.5,46 38.5,49 38.5,55.825 v1(36.75,57.575) 37.534,58.359 C15.2
NewNet38: U1.15 U11.13 | length 14.2
  Top Layer w0.3: U1.15 36.75,58.225 37.375,58.225 46.275,58.225 47.075,59.025 U11.13@47.075,60.85
NewNet39: U1.16 U11.12 | length 12.6
  Top Layer w0.3: U1.16 45.555,58.875 45.805,59.125 U11.12@45.805,60.85
NewNet41: R4.1 U11.6 | length 6.3
  Top Layer w0.5: R4.1 47.831,73.875 49.615,72.091 U11.6@49.615,71.15
NewNet43: D10.2 Q2.3 | length 65.8
  Top Layer w0.5: v1(39.6,72.977) Q2.3
  Bottom Layer w0.5: D10.2 3.98,47.75 10,47.75 12.75,45 36.227,45 39.582,48.355 v1@39.582,73.082
NewNet44: R52.2 U11.11 | length 4.1
  Top Layer w0.5: U11.11 v1(44.535,62)
  Bottom Layer w0.5: v1(44.535,62) 44.535,64.16 R52.2
NewNet45: U11.16 U14.3 | length 11.1
  Top Layer w0.5: U14.3 v1(45.21,53.875) ; v1(50.885,58.7) U11.16
  Bottom Layer w0.25: v1(45.21,53.875) 47.215,53.875 50.885,57.545 v1(50.885,58.7)
NewNet46: U11.17 U13.3 | length 8.3
  Top Layer w0.5: U13.3 v1(50.46,53.875) ; v1(52.155,58.7) U11.17
  Bottom Layer w0.25: v1(50.46,53.875) 52.155,55.57 v1(52.155,58.7)
NewNet47: U10.3 U11.18 | length 8.5
  Top Layer w0.5: v1(53.425,58.7) U11.18 ; U10.3 v1(55.71,53.875)
  Bottom Layer w0.25: v1(53.425,58.7) 53.425,56.16 v1(55.71,53.875)
NewNet48: U9.3 U11.19 | length 11
  Top Layer w0.5: v1(54.695,58.7) U11.19 ; U9.3 v1(60.96,53.875)
  Bottom Layer w0.25: v1(54.695,58.7) 59.52,53.875 v1(60.96,53.875)
NewNet49: R50.1 U11.9 | length 4.3
  Top Layer w0.5: U11.9 v1(45.805,72.3)
  Bottom Layer w0.25: R50.1 44.75,71.245 v1(45.805,72.3)
NewNet50: R49.1 U11.8 | length 3.9
  Top Layer w0.5: U11.8 v1(47.075,72.3)
  Bottom Layer w0.25: R49.1@47.075,70.3 v1(47.075,72.3)
  Bottom Layer w0.5: R49.1@47.075,70.3 R49.1@47.25,70.125
NewNet51: R48.1 U11.7 | length 4.2
  Top Layer w0.5: U11.7 v1(48.345,72.3)
  Bottom Layer w0.25: v1(48.345,72.3) 49.25,71.395 R48.1
NewNet52: C27.1 U11.5 Y1.1 | length 6.2
  Top Layer w0.5: U11.5 v1(50.885,72.3)
  Bottom Layer w0.5: v1(50.885,72.3) 50.885,72.354 51.2,72.669 C27.1 ; C27.1@51.21,74 Y1.1
NewNet53: C26.1 U11.4 Y1.2 | length 8.6
  Top Layer w0.5: U11.4 v1(52.155,72.3)
  Bottom Layer w0.5: v1(52.155,72.3) 53.855,74 C26.1 ; C26.1@56.125,74.5 56.29,74.665 Y1.2
NewNet54: CN2.1 U11.3 | length 11
  Top Layer w0.5: U11.3 v1(53.425,72.3)
  Bottom Layer w0.5: v1(53.425,72.3) 61.01,72.3 CN2.1
NewNet55: CN2.2 U11.2 | length 9.4
  Top Layer w0.5: v1(54.695,69) U11.2
  Bottom Layer w0.5: v1(54.695,69) 54.695,68.971 55.146,68.52 CN2.2
NewNet56: C24.1 R45.2 U11.1 | length 7.2
  Top Layer w0.5: U11.1 56.85,70.65 57.818,69.682 58.943,69.682 R45.2 ; R45.2@59,69.5 C24.1 C24.1@59.105,65.98
NewNet57: C4.1 R1.1 R2.2 U6.6 | length 44.7
  Top Layer w0.5: R2.2 42.182,53.307 43.182,53.307 v1(43.75,53.875) ; v1(60.5,71.25) 60.5,72.5 61,73 64.937,73 65.5,72.437 R1.1 68.683,71.375 68.739,71.319 U6.6
  Bottom Layer w0.5: v1(43.75,53.875) 52.75,62.875 52.75,69.25 54,70.5 59.75,70.5 v1(60.5,71.25) ; U6.6 70.295,71.33 C4.1
NewNet58: R58.2 RP2.1 | length 4.7
  Top Layer w0.5: RP2.1 32.585,32.415 33.125,31.875 R58.2
NewNet59: C4.2 R8.1 R9.2 U6.4 | length 11.6
  Top Layer w0.5: R8.1 R9.2 66.625,64.125 U6.4
  Bottom Layer w0.5: U6.4 70.375,66.25 C4.2
NewNet60: R39.2 U9.1 | length 2.1
  Top Layer w0.5: U9.1 R39.2
NewNet61: R41.2 U10.1 | length 2.1
  Top Layer w0.5: U10.1 R41.2
NewNet62: R46.2 U13.1 | length 2.1
  Top Layer w0.5: U13.1 R46.2
NewNet63: R53.2 U14.1 | length 2.1
  Top Layer w0.5: U14.1 R53.2
NewNet64: C8.1 C9.1 R17.1 R18.1 | length 7.5
  Top Layer w0.5: C9.1 R17.1
NewNet65: R16.2 R17.2 R23.2 | length 5.2
  Top Layer w0.5: R17.2 R23.2 ; R23.2@40.25,44.125 R16.2
NewNet66: C7.2 R18.2 U4.3 | length 12.9
  Top Layer w0.5: C7.2 30,36.5 30.5,37 30.5,38.25 30.98,38.73 U4.3 34.23,38.73 34.75,39.25 35.5,40 R18.2
NewNet67: C8.2 C9.2 R25.2 R27.1 RP1.1 RP1.2 U4.1 | length 33.5
  Top Layer w0.5: R25.2 15.375,44.418 15.668,44.125 22.75,44.125 ; R27.1 20.125,36.125 RP1.2 RP1.1 22.75,44.125 ; U4.1 32.25,42.296 33,43.046 C8.2 C9.2 24.375,44.125 22.75,44.125
NewNet68: R11.2 R12.2 U4.2 | length 6.2
  Top Layer w0.5: R11.2 R12.2 30.25,39.25 30.5,39.5 31,40 U4.2
NewNet69: R10.2 R13.2 R57.2 | length 13
  Top Layer w0.5: R13.2 v1(44,38.75)
  Bottom Layer w0.5: R57.2 R10.2@36.25,36.625 ; R10.2 41.875,36.625 v1(44,38.75)
NewNet70: C21.1 C22.2 C23.2 CP6.1 L1.2 Q12.3 R21.2 U2.4 U6.1 U7.1 | length 147.3
  Top Layer w0.5: v1(46.5,22.5) 50.75,22.5 53,24.75 57.75,24.75 CP6.1 ; Q12.3 63,19.5 CP6.1 ; U7.1 72,37.63 72,55.38 U6.1 ; U2.4 71.733,16.233 v1(72.75,17.25) 72.75,24 72,24.75 L1.2 61.75,24.75 CP6.1
  Bottom Layer w0.5: R21.2 9.125,35.875 11.25,33.75 22.25,33.75 25.5,30.5 25.5,25.25 28.25,22.5 v1(46.5,22.5) ; CP6.1 58.875,23.625 C21.1 58.875,27.875 62.63,31.63 66,31.63 U7.1 69.495,35.125 C23.2 ; U6.1 69.495,59.375 C22.2
NewNet73: D8.1 R42.2 | length 4.3
  Top Layer w0.3: D8.1 24.574,51.286 24.75,51.461 24.75,53.074 24.926,53.25 R42.2
NewNet74: D2.1 D8.2 J3.3 R29.2 R32.1 R36.2 | length 26.8
  Top Layer w0.3: v1(20.75,53.25) 22.214,54.715 D8.2 23.5,55.693 23.815,56.008 23.815,56.852 D2.1
  Top Layer w0.5: J3.3 13,52 14.75,50.25 R32.1
  Bottom Layer w0.5: J3.3 R29.2 17.375,50.375 20.222,53.222 20.658,53.222 20.685,53.249 v1@20.685,53.315 ; v1(20.75,53.25) 21.875,53.25 R36.2
NewNet75: C10.2 R25.1 R60.2 U8.3 | length 10.5
  Top Layer w0.5: U8.3 8.48,43.48 9,44 10.975,44 11.293,44.318 11.293,45.168 C10.2@11.375,45.25 ; R60.2 C10.2 R25.1
NewNet76: R26.2 U8.6 | length 5.1
  Top Layer w0.5: R26.2 7.125,33.625 8,34.5 8.48,34.98 U8.6
NewNet77: C11.2 C12.2 C13.2 J2.1 R34.2 R61.2 U8.2 | length 47.1
  Top Layer w0.5: J2.1 5.5,28.5 18,28.5 20,28.5 20.25,28.75 20.5,29 C13.2 v1(19.25,29.875) ; U8.2 9.75,40.04 11.81,37.98 R34.2 ; v1(16.25,32.75) 14.5,34.5 R34.2 ; R61.2 16.5,38.375 16.105,37.98 R34.2 ; C13.2@20.25,29.875 C12.2@25.25,29.875
  Bottom Layer w0.5: v1(16.25,32.75) 19.125,29.875 v1(19.25,29.875)
NewNet78: C11.1 C12.1 C13.1 J2.4 Q3.2 R27.2 R33.1 | length 21.8
  Top Layer w0.5: Q3.2 17.67,31.705 R33.1 ; R27.2 R33.1 ; J2.4 21,26 21.75,26.75 v1(21.75,27.75) ; C12.1@25.25,31.625 R33.1
  Bottom Layer w0.5: v1(21.75,27.75) v1(21.75,31.625)
NewNet79: Q1.1 Q3.1 R33.2 | length 8.4
  Top Layer w0.5: Q1.1 10.025,30.205 10.285,30.205 10.843,29.648 13.5,29.648 15.02,29.648 Q3.1 15.248,29.875 R33.2
NewNet80: Q1.2 R26.1 | length 4.3
  Top Layer w0.5: R26.1 5.625,31.75 Q1.2
NewNet83: C6.2 C16.1 R36.1 U1.6 | length 11.1
  Top Layer w0.3: U1.6 v1(31,55.625)
  Bottom Layer w0.3: R36.1 24.241,53.134 24.749,53.134 24.978,52.905 25.948,52.905 C16.1 27.978,52.875 28.5,53.397 C6.2 29.75,54.375 v1(31,55.625)
NewNet84: C6.1 C18.2 R37.1 U1.5 | length 8.5
  Top Layer w0.3: U1.5 v1(30.25,56.275)
  Bottom Layer w0.3: R37.1 24.75,55.125 C18.2 26.049,55.197 26.977,55.197 27.522,55.742 28.117,55.742 28.65,56.275 v1(30.25,56.275)
pads on no net: D2.3 D3.3 J1.1 J1.3 J2.2 J2.3 J3.2 J4.2 J4.3 Q3.3 U1.2 U1.7 U1.8 U2.2 U2.3 U2.5 U5.1 U6.5 U8.1 U8.5 U8.8 U15.1

## Polygon pours and split planes (outlines as drawn)
NewNet on Bottom Layer "NONET_L-01_P-001" (solid, remove dead copper, pour order 1): 37.5,79.5 37.5,75.955 37.295,75.75 34,75.75 33.5,75.25 33.5,65.75 33,65.25 27.75,65.25 27.25,64.75 27.25,61.022 27.772,60.5 41.5,60.5 42.5,61.5 42.5,64.75 43,65.25 47.5,65.25 52,60.75 66.5,60.75 67,61.25 67,69 43.75,69 43.75,73 63.5,73 63.5,69 67,69 67,79.5 66.5,80 38,80
NewNet on Top Layer "Top Layer-NewNet" (solid, remove dead copper, pour order 4): 56.5,62 57,62.5 57,68.5 56.25,69.25 44.75,69.25 44.75,73 56.85,73 57.25,72.6 57.25,70.75 64.5,70.75 64.5,73.5 67,73.5 67,79.75 66.75,80 38,80 37.5,79.5 37.5,75.955 37.295,75.75 34,75.75 33.5,75.25 33.5,65.75 33,65.25 27.75,65.25 27.25,64.75 27.25,61.5 27.75,61 38.25,61 42.5,65.25 47.5,65.25 50.75,62

## Keep-outs
Keep-Out Layer:
  the board outline again, w0.2

## Other copper
Top Layer:
  pour cut-out: 58.25,80.5 58.25,74 49.25,74 49.25,80.5
Bottom Layer:
  pour cut-out: 58.25,80.5 58.25,74.75 49.25,74.75 49.25,80.5

## Silkscreen, mask and mechanical layers (free items; w line width, h text height)
Top Overlay:
  lines w0.13: 61.25,74 62.25,73 63.25,74 61.25,74
Bottom Overlay:
  text "_" at 12,52.019 h1.52
  text "COM" at 4.5,51.268 h1.5
  text "TC" at 13.75,51.267 h1.5
  text "TC+" at 19,51.267 h1.5
  text "_" at 1.5,29.269 h1.52
  text "OUT1" at 5,28.518 h1.5
  text "OUT1+" at 19.75,28.518 h1.5
  text "POWER" at 25.25,19.518 h1.5
  text "GND.PWR" at 35.75,19.518 h1.5
Mechanical 1:
  the board outline again, w0.2